# KiCad board PingDevKit-copy.kicad_pcb (continued)
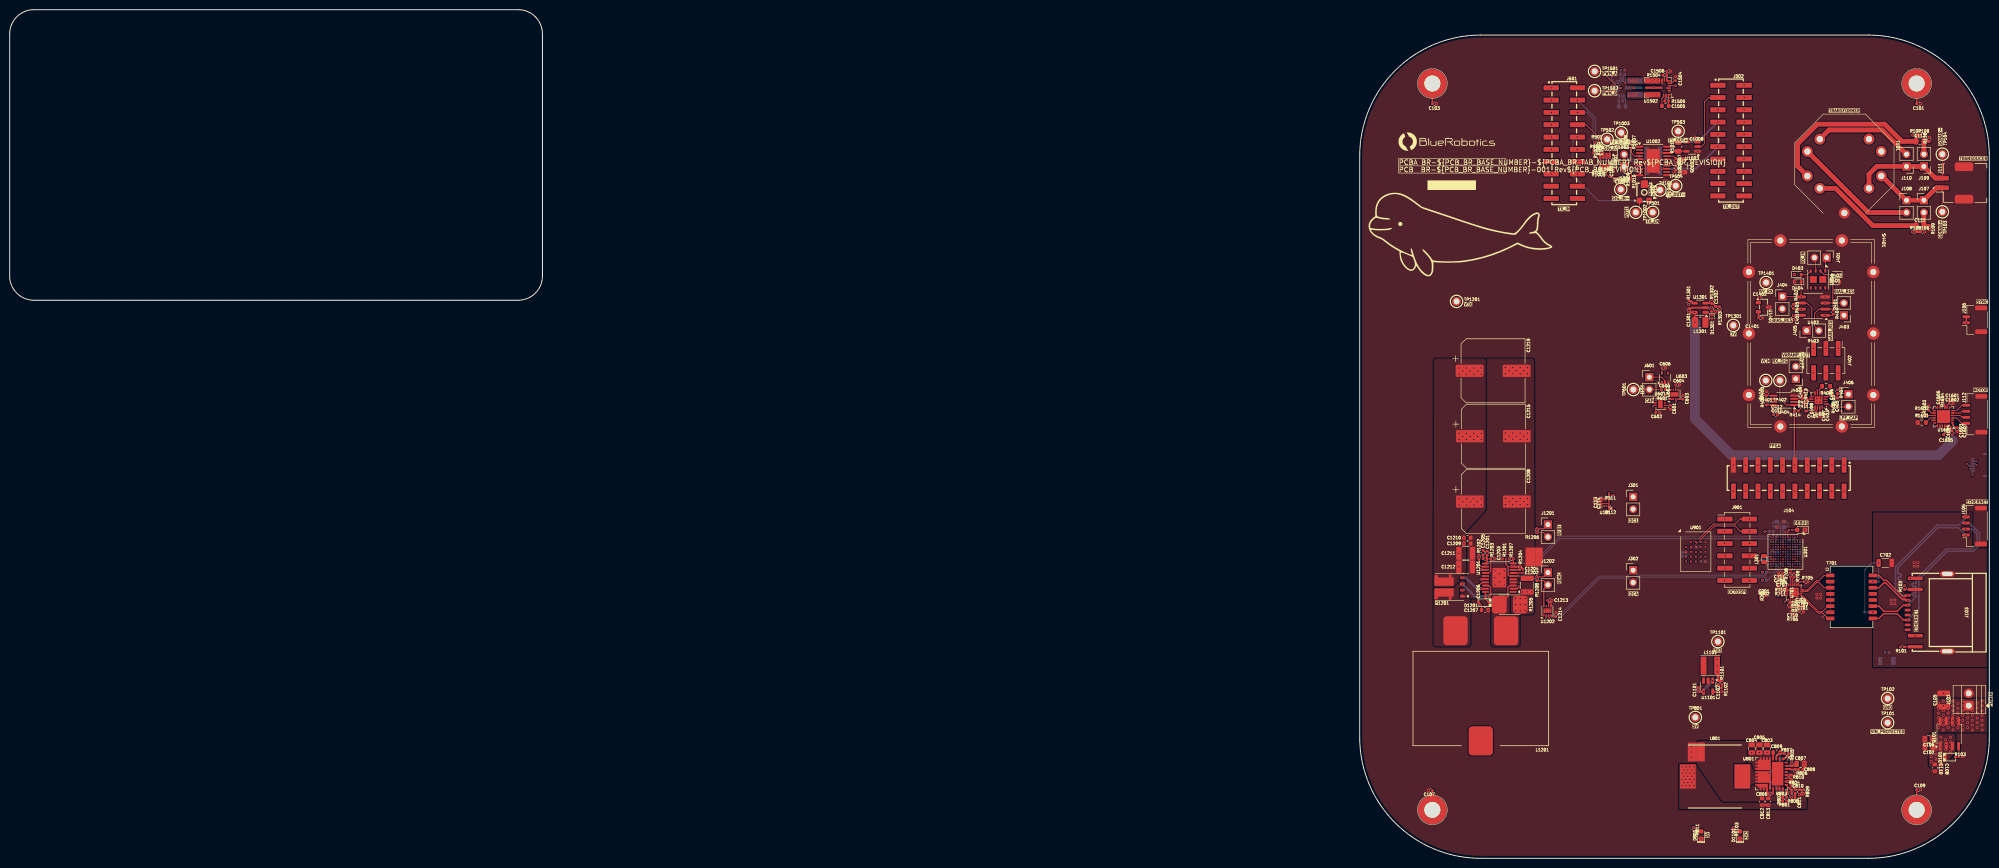
[diagram p0: board, top side]
## Footprints (pads in the part's own frame, mm; a bottom-side part is the same pattern mirrored in y, then rotated) (continued)
VQFN-24-1EP_4x4mm_P0.5mm_EP2.6x2.6mm-minimized
  rrect 1.1x1.1 smd: (-0.625,0.625) (-0.625,-0.625) (0.625,0.625) (0.625,-0.625)
  rrect 0.625x0.3 smd: 1(-1.85,1.25) 2(-1.85,0.75) 3(-1.85,0.25) 4(-1.85,-0.25) 5(-1.85,-0.75) 6(-1.85,-1.25) 13(1.887,-1.25) 14(1.887,-0.75) 15(1.887,-0.25) 16(1.887,0.25) 17(1.887,0.75) 18(1.887,1.25)
  rrect 0.3x0.625 smd: 7(-1.25,-1.887) 8(-0.75,-1.887) 9(-0.25,-1.887) 10(0.25,-1.887) 11(0.75,-1.887) 12(1.25,-1.887) 19(1.25,1.887) 20(0.75,1.887) 21(0.25,1.887) 22(-0.25,1.887) 23(-0.75,1.887) 24(-1.25,1.887)
  rrect 2.7x2.7 smd: 25(0,0)
WQFN-24-3x3x0.8mm-DRV8311
  rrect 0.47x0.2 smd: 1(-1.465,1.2) 2(-1.465,0.8) 3(-1.465,0.4) 4(-1.465,0) 5(-1.465,-0.4) 6(-1.465,-0.8) 7(-1.465,-1.2) 13(1.465,-1.2) 14(1.465,-0.8) 15(1.465,-0.4) 16(1.465,0) 17(1.465,0.4) 18(1.465,0.8) 19(1.465,1.2)
  rrect 0.2x0.47 smd: 8(-0.67,-1.465) 9(-0.27,-1.465) 10(0.13,-1.465) 11(0.53,-1.465) 12(0.93,-1.465) 20(0.93,1.465) 21(0.53,1.465) 22(0.13,1.465) 23(-0.27,1.465) 24(-0.67,1.465)
  rrect 1.9x1.9 smd: EP(0,0)
WSON-8-1EP_2x2mm_P0.5mm_EP0.9x1.6mm
  rect 0.75x0.65 smd: (0,0.4) (0,-0.4)
  rrect 0.5x0.25 smd: 1(-0.95,0.75) 2(-0.95,0.25) 3(-0.95,-0.25) 4(-0.95,-0.75) 5(0.95,-0.75) 6(0.95,-0.25) 7(0.95,0.25) 8(0.95,0.75)
  rect 0.9x1.6 smd: 9(0,0)
XR1265-100M
  rect 3.25x5 smd: 1(-5.625,0) 2(5.625,0)

## Nets
3V3: C113.1 C114.2 C301.1 C305.1 C311.1 C312.1 C313.1 C314.1 C315.1 C317.1 C318.1 C319.1 C320.1 C321.1 C322.1 C323.1 C324.1 C325.1 C403.1 C407.1 C601.1 C604.1 C606.1 C701.1 C703.1 C704.1 C705.1 C706.1 C707.1 C709.1 C711.1 C901.1 C902.1 C903.1 C904.1 C1102.1 C1213.1 J104.15 L1101.2 R104.1 R111.1 R112.1 R301.1 R304.1 R305.1 R408.1 R706.2 R709.1 R1101.1 R1103.1 R1602.1 R1604.1 TP1101.1 U101.2 U101.9 U101.10 U301.A3 U301.A6 U301.A8 U301.A11 U301.B1 U301.C1 U301.D13 U301.E13 U301.G1 U301.J13 U301.N3 U301.N7 U301.N10 U301.N12 U403.15 U601.1 U601.6 U602.6 U603.5 U701.6 U701.19 U901.B4 U901.D1 U901.E4 U1202.6
5V: C811.1 C812.1 C813.1 C1101.1 C1202.1 C1301.1 C1501.1 C1506.1 C1601.1 C1602.1 C1603.1 C1604.1 C1607.1 J501.15 L801.2 L1301.1 R809.1 R811.1 R1205.1 R1301.1 R1502.1 R1504.2 TP801.1 U1101.1 U1101.4 U1201.4 U1201.5 U1301.5 U1501.5 U1502.5 U1601.1 U1601.8
/Power/3V3 Buck/PGND: C1101.2 C1102.2 NT1101.1 U1101.2
/Power/5V Buck/PGND: C803.2 C804.2 C805.2 C806.2 C812.2 C813.2 NT801.1 U801.2 U801.16 U801.17 U801.18 U801.19 U801.22 U801.23 U801.29 U801.33
/Power/7V: C1302.2 C1303.1 C1401.1 D1301.1 R1303.2 TP1301.1 U1401.2
/Power/VTX Boost/PGND: C1202.2 C1208.2 C1209.1 C1210.2 C1211.2 C1212.2 C1215.2 C1216.2 C1217.2 C1218.2 C1219.2 NT1201.1 Q1201.1 U1201.15
/Power/VTX Boost/VCC: C1207.1 D1201.2 U1201.17
/Power/VTX Boost/VIN_SENSED: L1201.1 R1205.2 U1201.3
/Stepper Driver/DVDD: C1606.1 U1601.10
/Stepper Driver/PGND: NT1601.1 U1601.2 U1601.7 U1601.25
/TX/5V_AB: C1002.2 C1008.1 J501.16 R1001.1 R1004.1 U1001.8 U1003.3
/TX/Digital Drive/PGND: NT1501.1 U1501.8 U1502.8
GND: C101.2 C102.2 C103.2 C104.2 C105.2 C106.2 C107.2 C108.2 C109.2 C110.2 C113.2 C114.1 C201.2 C301.2 C302.2 C303.2 C304.2 C305.2 C306.1 C307.2 C308.2 C309.1 C310.2 C311.2 C312.2 C313.2 C314.2 C315.2 C316.2 C317.2 C318.2 C319.2 C320.2 C321.2 C322.2 C323.2 C324.2 C325.2 C401.2 C403.2 C407.2 C410.2 C411.2 C412.2 C601.2 C602.1 C603.1 C604.2 C606.2 C701.2 C703.2 C704.2 C705.2 C706.2 C707.2 C708.2 C709.2 C710.2 C711.2 C712.2 C807.2 C808.2 C901.2 C902.2 C903.2 C904.2 C1002.1 C1005.2 C1006.2 C1007.2 C1008.2 C1203.1 C1204.1 C1207.2 C1213.2 C1214.2 C1301.2 C1303.2 C1401.2 C1402.2 C1501.2 C1503.2 C1504.2 C1506.2 C1601.2 C1602.2 C1603.2 C1606.2 C1607.2 D301.1 D402.2 D404.2 D801.1 D1101.1 J101.2 J102.1 J102.MP J103.9 J103.11 J104.19 J105.MP J106.MP J111.MP1 J111.MP2 J112.MP NT801.2 NT1101.2 NT1201.2 NT1501.2 NT1601.2 R103.2 R106.2 R108.2 R109.2 R110.2 R202.2 R302.2 R410.2 R413.1 R701.2 R702.2 R705.2 R707.2 R708.2 R710.2 R711.2 R802.2 R804.2 R810.2 R1002.2 R1005.2 R1008.2 R1010.2 R1102.2 R1201.2 R1202.1 R1204.2 R1207.2 R1302.2 R1601.1 R1603.2 SH401.1 T101.9 TH101.2 TP102.1 U101.5 U101.6 U101.7 U101.8 U301.B2 U301.B4 U301.B8 U301.B11 U301.E12 U301.F2 U301.H2 U301.J12 U301.L1 U301.L2 U301.M3 U301.M7 U301.M10 U301.M11 U402.4 U403.5 U403.8 U403.17 U404.4 U601.5 U601.9 U602.5 U602.9 U603.3 U701.9 U701.21 U701.EP U801.26 U801.28 U901.B3 U901.C1 U901.E5 U1001.4 U1002.1 U1002.6 U1002.10 U1002.11 U1002.20 U1002.EP U1003.1 U1201.2 U1201.9 U1201.21 U1202.1 U1202.5 U1202.9 U1301.2 U1401.3 U1501.7 U1502.7 U1601.9 X301.2 X301.4
VDDA: C303.1 C304.1 R301.2 U301.M1 U301.M2
VIN: C105.1 J101.1 Q101.3
VIN_PROTECTED: C102.1 C106.1 C108.1 C110.1 C803.1 C804.1 C805.1 D101.1 Q101.1 R201.2 R801.1 R803.1 R805.2 TP101.1 U801.5 U801.6 U801.7 U801.8 U801.9 U801.10 U801.11
/ACT_LED: R102.2 R701.1 U701.4
/AUX_ANALOG: J502.2 TP331.1 U301.K4
/ETH.RX+: J103.3 J105.2 T701.11
/ETH.RX-: J103.6 J105.3 T701.9
/ETH.TX+: J103.1 J105.1 T701.16
/ETH.TX-: J103.2 J105.4 T701.14
/Ethernet/RD_N: T701.8 U701.7
/Ethernet/RD_P: T701.6 U701.8
/Ethernet/TD_N: T701.3 U701.10
/Ethernet/TD_P: T701.1 U701.11
/GPIO1: J501.1 TP356.1 U301.D8
/I2C1.SCL: J301.2 R112.2 TP341.1 U101.1 U301.F5
/I2C1.SDA: J301.1 R111.2 TP342.1 U101.4 U301.E5
/I2C4.SCL: J302.1 R305.2 TP315.1 U301.L13 U601.2 U602.1 U602.2 U1202.2
/I2C4.SDA: J302.2 R304.2 TP316.1 U301.L12 U601.3 U602.3 U1202.3
/LINK_LED: R101.2 R702.1 U701.2
/MAC.CRSDV: R710.1 TP334.1 U301.K5 U701.20
/MAC.MDC: TP348.1 U301.J3 U701.16
/MAC.MDIO: TP330.1 U301.L3 U701.15
/MAC.RXD0: R708.1 TP349.1 U301.L5 U701.18
/MAC.RXD1: R709.2 TP350.1 U301.M5 U701.17
/MAC.RXER: R711.1 TP343.1 U301.K9 U701.22
/MAC.TXD0: TP345.1 U301.K11 U701.23
/MAC.TXD1: TP346.1 U301.H10 U701.24
/MAC.TXEN: TP344.1 U301.L10 U701.1
/MCU/DEBUG_LED: R303.1 TP301.1 U301.F1
/MCU/OSC_IN: C302.1 U301.H1 X301.1
/MCU/OSC_OUT: C307.1 U301.J1 X301.3
/MOTOR_A+: J112.1 U1601.3
/MOTOR_A-: J112.2 U1601.4
/MOTOR_B+: J112.4 U1601.6
/MOTOR_B-: J112.3 U1601.5
/MOTOR_DIR: TP302.1 U301.B12 U1601.19
/MOTOR_EN: TP303.1 U301.C11 U1601.20
/MOTOR_MODE0: TP305.1 U301.C4 U1601.13
/MOTOR_MODE1: TP306.1 U301.A12 U1601.17
/MOTOR_nFAULT: R1604.2 TP308.1 U301.A2 U1601.11
/MOTOR_nSLEEP: TP304.1 U301.D10 U1601.21
/MOTOR_STEP: TP307.1 U301.B3 U1601.18
/MOTOR_VREF: TP333.1 U301.J5 U1601.12
/nRST: C309.2 J102.4 TP328.1 U301.H3
/OCTOSPI1.CLK: J901.2 TP324.1 U301.H4 U901.B2
/OCTOSPI1.DQS: J901.1 TP339.1 U301.N6 U901.C3
/OCTOSPI1.IO0: J901.5 TP322.1 U301.G4 U901.D3
/OCTOSPI1.IO1: J901.6 TP323.1 U301.G2 U901.D2
/OCTOSPI1.IO2: J901.7 TP359.1 U301.C3 U901.C4
/OCTOSPI1.IO3: J901.8 TP321.1 U301.G7 U901.D4
/OCTOSPI1.IO4: J901.9 TP309.1 U301.J4 U901.D5
/OCTOSPI1.IO5: J901.10 TP360.1 U301.J8 U901.E3
/OCTOSPI1.IO6: J901.11 TP361.1 U301.N8 U901.E2
/OCTOSPI1.IO7: J901.12 TP362.1 U301.L8 U901.E1
/OCTOSPI1.NCLK: J901.4 TP340.1 U301.E6 U901.B1
/OCTOSPI1.NCS: J901.3 TP363.1 U301.M8 U901.A3
/PHY_nRST: C710.1 R706.1 TP314.1 U301.M13 U701.5
/PHY_REF_CLK: TP351.1 TP365.1 U301.F12 U301.H5 U701.13
/Power/3V3 Buck/SW: L1101.1 U1101.3
/Power/5V Buck/SW: C809.2 L801.1 R807.1 R808.2 U801.3 U801.12 U801.13 U801.14 U801.15 U801.20
/Power/VTX Boost/FB: C1201.2 C1205.2 J1201.2 J1202.1 R1206.2 R1207.1 R1208.1 U1201.10
/Power/VTX Boost/HO: Q1201.4 U1201.19
/Power/VTX Boost/LO: Q1201.2 U1201.16
/Power/VTX Boost/SOURCE: C1206.1 L1201.2 Q1201.3 Q1201.5 U1201.18
/PSRAM_nRST: TP364.1 U301.M9 U901.A4
/RX+: J108.2 J401.1 T101.3 U401.1
/RX-: J110.2 J401.2 T101.4 U401.3
/RX/GAIN: C605.1 J601.2 R601.2 TP601.1 U403.7 U603.1
/RX/MODE_SEL: R408.2 U403.6
/RX/PREAMP_IN+: D401.2 D402.1 J402.2 J403.2 R401.1 U401.2 U402.3
/RX/PREAMP_IN-: D403.2 D404.1 J402.5 J404.1 R402.2 U401.4 U402.5
/RX/PREAMP_OUT+: J402.3 R404.2 U402.1
/RX/PREAMP_OUT-: J402.4 R405.2 U402.7
/RX/VARAMP_IN+: J402.1 R406.1
/RX/VARAMP_IN-: J402.6 R407.1
/RX/VCM: J403.1 J404.2 R401.2 R402.1 TP401.1 U404.6 U404.7
/RX/VREF_1V5: C404.2 U403.13 U403.16
/RX_SIG: J104.10 TP327.1 U301.H7
/RX_SIG_AFE: J104.9 R414.2 TP402.1 U404.1
/SD0: TP319.1 U301.H13 U1501.3
/SD1: TP320.1 U301.G9 U1502.3
/SONAR+: J107.1 J108.1 J111.1 T101.7 TP103.1
/SONAR-: J109.1 J110.1 J111.2 T101.8 TP104.1
/SPI5.MISO: J104.20 TP312.1 U301.L11
/SPI5.MOSI: J104.18 TP313.1 U301.M12
/SPI5.NSS: J104.14 TP310.1 U301.L4
/SPI5.SCK: J104.16 TP311.1 U301.N13
/SWCLK: J102.2 TP338.1 U301.C10
/SWDIO: J102.3 TP337.1 U301.D12
/SYNC: J104.17 J106.1 J106.2
/TGC_RST: J104.6 TP352.1 U301.C9
/TGC_RST_AFE: J104.5 U603.4
/TX+: C111.1 J502.6 J502.8 R105.2 R106.1 T101.1 U1501.9
/TX-: C112.1 J502.10 J502.12 R107.2 R108.1 T101.2 U1502.9
/TX/2X_ATT_AB: J501.4 R501.1
/TX/10X_ATT_AB: J501.6 R502.2
/TX/I_SENSE_AB: J502.3 U1003.2
/TX/LT1794 Integrated Class AB/SIG_IN+: C1003.2 R1003.1 TP1003.1 U1001.1 U1001.2
/TX/LT1794 Integrated Class AB/SIG_IN-: C1004.2 R1006.2 TP1004.1 U1001.7
/TX/SIG_IN_AB: C1001.1 J501.8 R501.2 R502.1 TP502.1
/TX/SIG_OUT+_AB: J502.5 J502.7 R1015.2 TP503.1 U1003.4
/TX/SIG_OUT-_AB: J502.9 J502.11 R1014.2 TP504.1 U1002.13
/TX/TX_EN_AB: J501.10 R1012.3 TP501.1
/TX/VTX_AB: C1005.1 C1006.1 C1007.1 J501.12 J501.14 J502.13 J502.15 R1007.1 R1009.1 U1002.14 U1002.17
/TX_2X_ATT: J501.3 TP354.1 U301.E8
/TX_10X_ATT: J501.5 TP355.1 U301.C8
/TX_EN: J104.8 TP353.1 U301.B9
/TX_EN_AFE: J104.7 J501.9
/TX_I_SENSE: J502.4 TP347.1 U301.J2
/TX_PWM_A: J104.4 TP357.1 U301.H11
/TX_PWM_A_AFE: J104.3 TP1501.1 U1501.2 U1502.1
/TX_PWM_B: J104.2 TP358.1 U301.H12
/TX_PWM_B_AFE: J104.1 TP1502.1 U1501.1 U1502.2
/TX_SIG: J104.12 TP332.1 U301.M4
/TX_SIG_AFE: J104.11 J501.7
/USART1.RX: J102.5 TP336.1 U301.E11
/USART1.TX: J102.6 TP335.1 U301.F13
/V_SENSE: C201.1 R201.1 R202.1 TP325.1 U301.J6
/VTHERM: C104.1 R104.2 TH101.1 TP326.1 U301.K6
/VTX_EN: R1201.1 TP317.1 U301.N2 U1201.6
/VTX_MODE: TP318.1 U301.N1 U1201.13
CHASSISGND: C702.2 C712.1 J103.MP1 J103.MP2 R707.1
RX_5V: C401.1 C411.1 C412.1 C1402.1 D401.1 D403.1 R409.1 TP1401.1 U402.8 U404.8 U1401.1
VTX: C1208.1 C1209.2 C1210.1 C1211.1 C1212.1 C1215.1 C1216.1 C1217.1 C1218.1 C1219.1 J501.11 J501.13 J502.14 J502.16 J1201.1 Q1201.6 R105.1 R107.1 R1206.1 TP1201.1 U1501.10 U1502.10
Net-(C101-Pad1): C101.1 H101.1
Net-(C103-Pad1): C103.1 H102.1
Net-(C107-Pad1): C107.1 H103.1
Net-(C109-Pad1): C109.1 H104.1
Net-(C308-Pad1): C308.1 C310.1 L301.1 U301.A4 U301.N11
Net-(C702-Pad1): C702.1 R703.1 R704.1
Net-(C708-Pad1): C708.1 T701.2 T701.7
Net-(C810-Pad1): C810.1 R808.1
Net-(C1205-Pad1): C1205.1 R1203.2
Net-(D101-A): D101.2 Q101.2 R103.1
Net-(D301-A): D301.2 R303.2
Net-(D801-A): D801.2 R811.2
Net-(D1101-A): D1101.2 R1103.2
Net-(D1201-K): C1206.2 D1201.1 U1201.20
Net-(D1301-A): D1301.2 L1301.2 U1301.1
Net-(J103-Pad10): J103.10 R102.1
Net-(J103-Pad12): J103.12 R101.1
Net-(J107-Pin_2): C111.2 J107.2 R109.1
Net-(J109-Pin_2): C112.2 J109.2 R110.1
Net-(J405-Pin_1): J405.1 R403.2 R405.1 U402.6
Net-(J405-Pin_2): J405.2 R403.1 R404.1 U402.2
Net-(J406-Pin_1): C402.2 C406.1 J406.1 R407.2
Net-(J406-Pin_2): C402.1 C405.1 J406.2 R406.2
Net-(J407-Pin_1): C408.1 J407.1 R411.1 U403.11
Net-(J407-Pin_2): C409.1 J407.2 R412.1 U403.10
Net-(J601-Pin_1): C605.2 J601.1 U602.8 U603.2
Net-(J1001-Pin_1): J1001.1 R1011.2 R1014.1 U1002.8
Net-(J1001-Pin_2): J1001.2 R1011.1 R1013.2 U1002.3
Net-(J1202-Pin_2): J1202.2 R1208.2 U1202.8
Net-(R703-Pad2): R703.2 T701.15
Net-(R704-Pad2): R704.2 T701.10
Net-(R1012-Pad1): R1012.1 TP1002.1
Net-(R1012-W): R1012.2 TP1001.1 U1002.5
Net-(U301-BOOT0): C306.2 R302.1 TP329.1 U301.B5
Net-(U301-VLXSMPS): C316.1 L301.2 U301.N9
Net-(U403-FBKM): C409.2 U403.9
Net-(U403-FBKP): C408.2 U403.12
Net-(U403-INMR): C406.2 U403.4
Net-(U403-INPR): C405.2 U403.1
Net-(U403-OFSN): C404.1 U403.14
Net-(U404A-+): R412.2 R413.2 U404.3
Net-(U404A--): R411.2 R414.1 U404.2
Net-(U404B-+): C410.1 R409.2 R410.1 U404.5
Net-(U601-CAP): C602.2 U601.4
Net-(U601-OUT): R601.1 U601.8
Net-(U602-CAP): C603.2 U602.4
Net-(U701-RBIAS): R705.1 U701.14
Net-(U801-BST): C809.1 U801.4
Net-(U801-EN): R801.2 R802.1 U801.24
Net-(U801-FB): C810.2 C811.2 R809.2 R810.1 U801.27
Net-(U801-FREQ): R803.2 R804.1 U801.25
Net-(U801-ILIM): R807.2 U801.1
Net-(U801-PVDD): C806.1 R806.1 U801.21
Net-(U801-SVIN): C807.1 R805.1 U801.31
Net-(U801-VDD): C808.1 R806.2 U801.30
Net-(U1001A-+): C1001.2 R1001.2 R1002.1 U1001.3
Net-(U1001B-+): R1004.2 R1005.1 U1001.5
Net-(U1001B--): R1003.2 R1006.1 U1001.6
Net-(U1002A-+): C1003.1 R1007.2 R1008.1 U1002.4
Net-(U1002B-+): C1004.1 R1009.2 R1010.1 U1002.7
Net-(U1003-RS+): R1013.1 R1015.1 U1002.18 U1003.5
Net-(U1101-FB): R1101.2 R1102.1 U1101.5
Net-(U1201-COMP): C1201.1 R1203.1 U1201.11
Net-(U1201-RES): C1203.2 U1201.14
Net-(U1201-SLOPE): R1202.2 U1201.12
Net-(U1201-SS): C1204.2 U1201.7
Net-(U1201-SYNCIN/RT): R1204.1 U1201.8
Net-(U1202-CAP): C1214.1 U1202.4
Net-(U1301-EN): R1301.2 U1301.4
Net-(U1301-FB): C1302.1 R1302.1 R1303.1 U1301.3
Net-(U1501-RBOOT): R1503.2 U1501.12
Net-(U1501-RDRV): R1502.2 U1501.6
Net-(U1501-VBOOT): C1502.1 R1503.1 U1501.13
Net-(U1501-VDD): C1503.1 U1501.4
Net-(U1501-VPHASE): C1502.2 U1501.11
Net-(U1502-RBOOT): R1505.1 U1502.12
Net-(U1502-RDRV): R1504.1 U1502.6
Net-(U1502-VBOOT): C1505.2 R1505.2 U1502.13
Net-(U1502-VDD): C1504.1 U1502.4
Net-(U1502-VPHASE): C1505.1 U1502.11
Net-(U1601-CPH): C1605.1 U1601.23
Net-(U1601-CPL): C1605.2 U1601.22
Net-(U1601-DECAY0): R1601.2 U1601.16
Net-(U1601-DECAY1): R1602.2 U1601.15
Net-(U1601-TOFF): R1603.1 U1601.14
Net-(U1601-VCP): C1604.2 U1601.24

Pads without a net: J103 4 5 7 8; J104 13; J501 2 17 18 19 20; J502 1 17 18 19 20; L1201 3; T101 5 6; T701 4 5 12 13; U101 3 11 12; U301 A1 A5 A7 A9 A10 A13 B6 B7 B10 B13 C2 C5 C6 C7 C12 C13 D1 D2 D3 D4 D5 D6 D7 D9 D11 E1 E2 E3 E4 E7 E9 E10 F3 F4 F6 F7 F8 F9 F10 F11 G3 G5 G6 G8 G10 G11 G12 G13 H6 H8 H9 J7 J9 J10 J11 K1 K2 K3 K7 K8 K10 K12 K13 L6 L7 L9 M6 N4 N5; U401 5 6 7 8 9 10; U403 2 3; U601 7; U602 7; U701 3 12; U801 32; U901 A2 A5 B5 C2 C5; U1002 2 9 12 15 16 19; U1201 1; U1202 7

## Via types
v1: diameter 0.4, hole 0.2, Top to Bottom, 219 vias
v2: diameter 0.6, hole 0.3, Top to Bottom, 405 vias
v3: diameter 0.25, hole 0.15, Top to Bottom, 100 vias

## Routing (per net, layer and track width the routed paths; a pad name or vN(x,y) marks a point on that pad's centre or on a via; arc(x,y) is an arc through that point)
3V3: length 128.9
  Top w0.2: R111.1 331.23,74.98 v1(331.24,74.98) ; v1(342.89,93.54) U601.6 ; U101.9 U101.10 ; U101.9 328.67,73.21 C113.1 327.91,73.18 v1(327.3,73.18) ; U101.9 U101.2 ; v1(374.55,92.05) C407.1 U403.15 ; U602.6 v1(344,97.79) ; U701.19 367.25,56.58 366.87,56.95 C707.1 366.17,58.05 C709.1 v1(366.07,58.95) ; v1(369.55,50.89) C703.1 369.55,52.38 C705.1 C704.1 369.43,52.89 369.25,53.08 U701.6 ; v1(331.24,71.98) 330.82,71.98 R112.1 ; U603.5 v1(341.15,101.29)
  Top w0.25: U1202.6 317.76,53.1 v1(317.58,53.28)
  Top w0.5: v2(352.55,38.5) 352.75,38.3 C1102.1 R1101.1
  PWR.Cu w0.5: 375.87,92 v1(375.87,97.5) ; 375.87,92 375.82,92.05 v1(374.55,92.05) ; 375.87,92 375.87,88.73 369.9,82.75 362.5,82.75 360.99,81.24 v2(360.99,81.22) ; v2(352.55,39.8) 354.2,39.8 355.85,38.15 v2(355.85,6.38) ; 326.75,54.5 318.25,54.5 317.58,53.83 v1(317.58,53.28)
  PWR.Cu w2: 393.75,88 388.25,88 379.75,79.5 366.75,79.5
  Bottom w0.2: v3(369.65,63.79) 369.7,63.74 369.7,62.84 v3(369.65,62.79) ; R104.1 364.1,63.73 363.69,63.32 363.69,63.3 ; v3(363.65,61.79) 363.1,61.79 C301.1 ; R301.1 363.3,67.45 v2(362.4,67.45) ; C902.1 C901.1 ; v3(368.65,66.29) 368.65,66.09 C313.1
  vias: v1(339.89,94.56) v1(346.15,62.29) v1(349.15,64.29) v1(349.15,61.29) v1(367.95,50.15) v1(368.4,58.9) v1(393.98,91.47) v1(398.27,95.3) v2(352.55,41.1) v2(361.9,59.08) v2(361.9,57.43) v3(363.65,65.29) v3(363.65,63.29) v3(363.65,60.79) v3(365.65,60.29) v3(366.65,66.29) v3(367.65,60.29) v3(368.15,60.29) v3(369.15,66.29) v3(369.65,65.29) v3(369.65,61.29)
5V: length 133.3
  Top w0.2: C1603.1 401.72,88.97 401.15,89.53 U1601.1 ; C1603.1 v1(402.84,88.97) ; C1603.1 401.94,88.97 ; U1502.5 342.16,162.53 v1(342.15,162.54) ; v1(400.47,94.75) C1602.1 400.05,93.56 U1601.8
  Top w0.3: v2(346.7,112.75) v2(347.9,112.75) 347.97,112.68 v2(347.97,110.7) L1301.1
  Top w0.35: v2(361.83,11) v2(363.1,11) ; v2(370.45,13.35) 370.29,13.19 v2(369.55,13.19)
  Top w0.5: v2(348.65,34.4) v2(349.75,34.4)
  PWR.Cu w0.5: v2(347.75,6.38) v2(347.75,15)
  PWR.Cu w1: 320.25,140.8 320.25,147.04 326.21,153 326.25,153 ; 320.25,140.8 320.25,141.5 320.07,141.33 318.29,141.33 v2(318.29,141.32) ; 320.25,140.8 320.25,129
  signal3.Cu w0.2: 318.29,141.31 v2(318.29,141.32)
  Bottom w0.2: U1501.5 v1(332.65,162.74)
  Bottom w0.5: v2(351.65,36.68) 349.75,34.78 v2(349.75,34.4)
  Bottom w2: 348,110.7 v2(347.97,110.7) 347.97,90.78 355.5,83.25 398.25,83.25 401.25,86.25
  vias: v1(401.08,87.45) v2(310.88,53.66) v2(310.88,52.39) v2(310.88,51.12) v2(311.9,53.66) v2(311.9,52.39) v2(311.9,51.12) v2(312.35,55) v2(312.92,53.66) v2(312.92,52.39) v2(312.92,51.12) v2(313.35,55) v2(314.35,55) v2(345.3,18.9) v2(345.3,17.6) v2(345.3,16.3) v2(345.3,15) v2(345.7,18.25) v2(345.7,16.95) v2(345.7,15.65) v2(346.1,18.9) v2(346.1,17.6) v2(346.1,16.3) v2(346.1,15) v2(346.5,18.25) v2(346.5,16.95) v2(346.5,15.65) v2(346.7,114.35) v2(346.9,18.9) v2(346.9,17.6) v2(346.9,16.3) v2(346.9,15) v2(347.35,18.25) v2(347.35,16.95) v2(347.35,15.65) v2(347.75,18.9) v2(347.75,17.6) v2(347.75,16.3)
/Power/5V Buck/PGND: length 1.2
  Top w0.35: U801.19 362.82,13.57 C806.2
/Power/7V: length 1.3
  Top w0.3: U1401.2 361.08,112.82 v1(361.08,111.57)
  vias: v2(352.25,113) v2(353.1,113)
/Power/VTX Boost/PGND:
  vias: v2(308.83,101.32) v2(308.83,100.05) v2(308.83,87.82) v2(308.83,86.55) v2(308.83,74.3) v2(308.83,73.03) v2(309.59,100.68) v2(309.59,87.18) v2(309.59,73.66) v2(310.36,101.32) v2(310.36,100.05) v2(310.36,87.82) v2(310.36,86.55) v2(310.36,74.3) v2(310.36,73.03) v2(311.12,100.68) v2(311.12,87.18) v2(311.12,73.66) v2(311.88,101.32) v2(311.88,100.05) v2(311.88,87.82) v2(311.88,86.55) v2(311.88,74.3) v2(311.88,73.03) v2(312.64,100.68) v2(312.64,87.18) v2(312.64,73.66) v2(313.4,101.32) v2(313.4,100.05) v2(313.4,87.82) v2(313.4,86.55) v2(313.4,74.3) v2(313.4,73.03)
/Power/VTX Boost/VCC: length 7.1
  Top w0.25: C1207.1 303.9,52.23 D1201.2 303.15,52.98 303.15,56.12 304.01,56.98 U1201.17
/Power/VTX Boost/VIN_SENSED: length 5.6
  Top w0.25: U1201.3 309.71,56.33 309.34,55.95 309.34,54.15 R1205.2
/Stepper Driver/DVDD: length 1.4
  Top w0.2: U1601.10 399.04,93.1 C1606.1
/TX/5V_AB: length 2.6
  Top w0.2: U1001.8 330.95,142.8 331.25,142.5 C1002.2 331.63,142.48 v1(331.65,142.5) ; C1008.1 348.58,147.98 U1003.3
  vias: v1(327.5,146.89) v1(327.75,141.1) v1(348.61,149.02) v2(323.71,141.32)
/TX/Digital Drive/PGND:
  vias: v1(334.35,160.84) v1(334.35,160.24) v1(334.75,160.54) v1(335.15,160.84) v1(335.15,160.24) v1(335.55,160.54) v1(335.95,160.84) v1(335.95,160.24) v1(338.85,160.84) v1(338.85,160.24) v1(339.25,160.54) v1(339.65,160.84) v1(339.65,160.24) v1(340.05,160.54) v1(340.45,160.84) v1(340.45,160.24)
GND: length 42.5
  Top w0.2: v1(399.54,93.62) 399.55,93.61 U1601.9 ; C707.2 C706.2 365.27,57.79 C709.2 v1(365.27,58.95) ; U701.9 368.72,54.62 U701.EP 367.92,55.42 U701.21 ; v1(341.22,160.07) 341.18,160.07 341.16,160.09 U1502.7 ; v1(364.94,55.72) 365.17,55.72 R711.2 ; v1(370.35,50.89) C703.2 370.35,52.18 C705.2 C704.2 ; v1(364.95,56.25) 364.97,56.23 R710.2 ; U101.5 329.69,74.23 U101.7 U101.8 328,73.73 C113.2 327.5,73.78 v1(327.3,73.98) ; v1(343.5,141.6) 343.5,141.6 C1006.2 ; U1002.6 335.71,143.69 v1(335.42,143.4) ; R103.2 v1(403.45,20.9) ; v1(372.72,96.01) U403.8 ; C201.2 v1(362.92,54.65) ; R202.2 v1(362.92,54.1) ; v1(374.27,96.01) U403.5 ; C410.2 v1(362.05,96.55)
  Top w0.25: U1201.9 311.68,60.23 v2(311.82,60.38) 311.96,60.38 312.46,59.88 C1204.1 ; U1201.2 311.28,55.68 v2(311.67,56.06) ; R1201.2 308.09,61.84 v2(308.08,61.83) ; R804.2 367.94,15.15 v2(367.24,15.86) ; v1(318.38,53.28) 318.26,53.16 U1202.5
  Top w0.3: C1301.2 347.3,113.55 347.45,113.7 U1301.2
  Top w0.35: R810.2 367.91,17.16 U801.28 v2(367.24,17.16) ; C808.2 370.57,18.65 C807.2 ; 370.75,19.27 v2(370.51,19.51) ; v2(367.24,15.86) U801.26
  Bottom w0.2: C104.2 365.12,63.25 364.26,63.25 364.22,63.29 ; v3(369.15,62.79) 369.19,62.83 369.19,63.79 369.14,63.74 368.62,63.74 C306.1 368.12,63.73 R302.2 ; v1(362.75,60.45) 362.75,60.46 C317.2 ; v1(361.25,61.35) 361.55,61.65 362.14,61.65 C301.2 362.15,61.65 362.79,62.29 C316.2 ; C325.2 367.89,59.48 v1(367.82,59.48) ; C902.2 C901.2 ; v1(366.65,67.43) 366.65,67.43 C321.2 ; C307.2 364.08,68.67 364.35,68.4 v2(364.92,68.4) ; v1(333.59,160.07) 333.65,160.13 U1501.7 ; v3(367.15,65.79) C313.2 ; v3(364.65,66.29) 364.97,66.61 C303.2 ; v1(370.27,65.68) 370.27,65.3 C312.2 ; v1(374.35,49.8) 374.75,50.2 C708.2 ; v2(366.32,69.5) 366.91,69.5 C302.2
  vias: v1(317.11,51.37) v1(317.11,50.87) v1(317.91,51.37) v1(317.91,50.87) v1(319.27,50.76) v1(326.9,145.69) v1(327.75,141.7) v1(328.4,145.07) v1(330.84,161.52) v1(331.26,141.89) v1(333.45,162.74) v1(334.05,148.3) v1(334.85,139.95) v1(336.51,146.94) v1(336.51,141.09) v1(340.69,92.04) v1(341.66,140) v1(341.85,92.8) v1(341.95,101.29) v1(342.15,146.94) v1(342.15,141.09) v1(342.45,98.29) v1(342.89,92.74) v1(342.95,162.54) v1(343.97,161.42) v1(344.01,143.72) v1(344.8,97.79) v1(345.5,95.59) v1(346.15,63.29) v1(347.99,149.02) v1(348.15,64.29) v1(350.15,61.29) v1(361.67,115.87) v1(361.88,111.57) v1(362.72,96.35) v1(365.02,92.4) v1(365.02,91.6) v1(367.5,51.89) v1(367.65,58.89) v1(367.95,50.99) v1(368.2,51.89) v1(368.45,95.55) v1(370.05,96.52) v1(371.32,57.11) v1(373.75,91.25) v1(374.55,91.25) v1(387.25,42.5) v1(393.98,89.97) v1(396.18,93.4) v1(399.04,95.3) v1(401.27,94.75) v1(401.27,93.97) v1(402.09,88.17) v1(402.84,88.17) v2(292.95,14) v2(294.55,155.8) v2(303.37,62.62) v2(305.3,51.25) v2(306.59,61.83) v2(306.69,59.37) v2(306.69,57.98) v2(306.69,56.45) v2(307.58,58.74) v2(307.58,57.09) v2(308.6,59.37) v2(308.6,57.98) v2(308.6,56.45) v2(309.65,61.84) v2(339.36,144.02) v2(345.51,141.67) v2(347.25,23.15) v2(347.25,21.95) v2(347.25,20.75) v2(348.51,146.02) v2(349.25,4) v2(351.4,115.35) v2(351.4,113.75) v2(353.55,34.4) v2(355.91,81.22) v2(357.25,4) v2(363.25,113.8) v2(366.87,11.79) v2(367.95,55.39) v2(367.95,54.39) v2(368.28,111.27) v2(368.48,119.04) v2(368.95,55.39) v2(368.95,54.39) v2(370.66,67.83) v2(373.15,94.92) v2(373.15,94.22) v2(373.15,54.51) v2(373.15,53.76) v2(373.85,94.92) v2(373.85,94.22) v2(373.9,54.51) v2(373.9,53.76) v2(374.86,115.94) v2(377.83,119.04) v2(386.25,40.75) v2(392.45,57.8) v2(393.46,45.98) v2(394.55,155.8) v2(394.55,14.2) v2(395.34,149.36) v2(395.34,129.36) v2(395.45,24.6) v2(395.45,23) v2(396.34,148.86) v2(396.34,129.86) v2(397.5,18) v2(398.75,18) v2(399.32,34.08) v3(364.15,65.29) v3(364.15,63.29) v3(364.15,61.79) v3(364.15,61.29) v3(364.65,65.79) v3(365.65,60.79) v3(366.15,65.79) v3(367.65,60.79) v3(369.15,65.79) v3(369.15,64.79) v3(369.15,61.29)
VDDA: length 1.7
  Bottom w0.2: R301.2 364.17,67.48 C303.1 364.15,66.67 v3(364.15,66.29) v3(364.15,65.79)
VIN:
  vias: v2(398.25,32) v2(398.25,31) v2(398.25,30) v2(398.25,29) v2(398.25,28) v2(398.25,27) v2(399.25,32.5) v2(399.25,31.5) v2(399.25,30.5) v2(399.25,29.5) v2(399.25,28.5) v2(399.25,27.5) v2(399.25,26.5) v2(400.25,32) v2(400.25,31) v2(400.25,30) v2(400.25,29) v2(400.25,28) v2(400.25,27) v2(401.25,32.5) v2(401.25,31.5) v2(401.25,30.5) v2(401.25,29.5) v2(401.25,28.5) v2(401.25,27.5) v2(401.25,26.5) v2(402.25,32) v2(402.25,31) v2(402.25,30) v2(402.25,29) v2(402.25,28) v2(402.25,27) v2(403.25,32.5) v2(403.25,31.5) v2(403.25,30.5) v2(403.25,29.5) v2(403.25,28.5) v2(403.25,27.5) v2(403.25,26.5) v2(404.25,30) v2(404.25,29) v2(404.25,28) v2(404.25,27) v2(405.25,30.5) v2(405.25,29.5) v2(405.25,28.5) v2(405.25,27.5) v2(405.25,26.5) v2(406.25,32) v2(406.25,31) v2(406.25,30) v2(406.25,29) v2(406.25,28) v2(406.25,27) v2(407.25,32.5) v2(407.25,31.5) v2(407.25,30.5) v2(407.25,29.5) v2(407.25,28.5) v2(407.25,27.5) v2(407.25,26.5)
VIN_PROTECTED: length 33.9
  Top w0.2: v1(361.34,53.61) R201.2
  Top w0.25: v2(366.88,14.08) 367.14,13.82 R803.1 366.87,13.09 R801.1
  PWR.Cu w0.5: v2(361.28,21.85) 361.35,21.92 361.35,53.6 v1(361.34,53.61)
  vias: v2(359.7,21.85) v2(362.85,21.85) v2(367.94,19.91) v2(396.75,25) v2(396.75,24) v2(396.75,23) v2(396.75,22) v2(396.75,21) v2(396.75,20) v2(397.75,24.5) v2(397.75,23.5) v2(397.75,22.5) v2(397.75,21.5) v2(397.75,20.5) v2(398.75,25) v2(398.75,24) v2(398.75,23) v2(398.75,22) v2(398.75,21) v2(398.75,20) v2(399.75,24.5) v2(399.75,23.5) v2(399.75,22.5) v2(399.75,21.5) v2(399.75,20.5) v2(400.75,25) v2(400.75,24) v2(400.75,23) v2(400.75,22)
/ACT_LED: length 33.9
  Top w0.2: v1(368.2,52.69) 368.2,52.82 368.45,53.06 U701.4
  signal2.Cu w0.2: v1(368.2,52.69) 368.21,52.69 368.75,52.15 368.75,50.99 372.74,47 387.25,47 391.25,51 v1(391.25,56.3)
/AUX_ANALOG: length 106.1
  signal2.Cu w0.1: v3(365.15,64.79) 364.95,64.99 364.95,66.5 364.2,67.25
  signal2.Cu w0.2: 364.2,67.25 359.07,72.38 359.07,76.08 349.4,85.75 349.4,152.75 356.29,159.64 v2(358.13,159.64)
/ETH.RX+: length 39.1
  Top w0.3: T701.11 385.98,52.07 387.05,51 389.7,51 390.98,52.28 v2(391.88,52.28)
  Bottom w0.3: v2(391.88,52.28) 393.68,54.08 arc(393.62,54.22) 393.48,54.28 392.97,54.28 arc(392.83,54.34) 392.77,54.48 392.77,54.58 arc(392.83,54.72) 392.97,54.78 393.48,54.78 arc(393.62,54.84) 393.68,54.98 393.68,55.08 arc(393.62,55.22) 393.48,55.28 392.97,55.28 arc(392.83,55.34) 392.77,55.48 392.77,55.58 arc(392.83,55.72) 392.97,55.78 393.48,55.78 arc(393.62,55.84) 393.68,55.98 393.68,56.08 arc(393.62,56.22) 393.48,56.28 392.97,56.28 arc(392.83,56.34) 392.77,56.48 392.77,56.58 arc(392.83,56.72) 392.97,56.78 393.48,56.78 arc(393.62,56.84) 393.68,56.98 393.68,57.73 399.83,63.88 405.22,63.88 406.23,64.9 406.23,66.95 405.26,67.92 v2(403.84,67.92)